# Altium PCB PCB1.PcbDoc (continued)
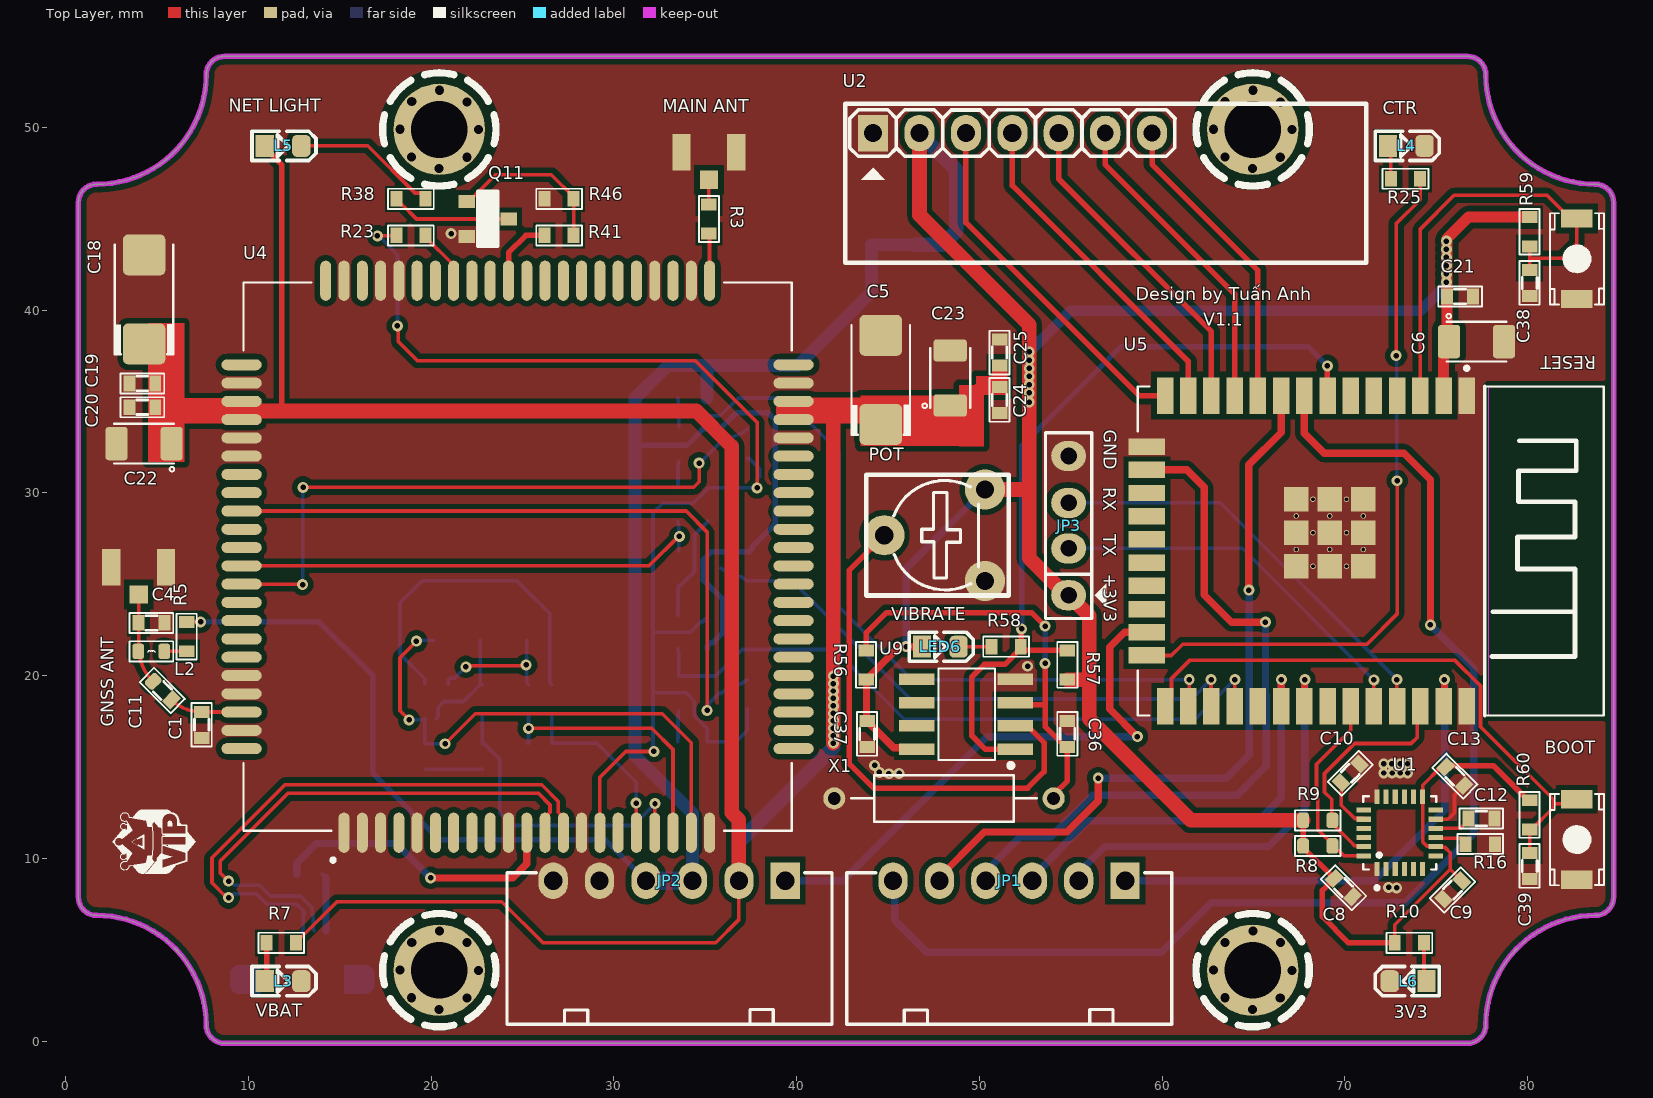
[diagram p0: Top Layer view]
## Footprints (in the part's own frame and the unit in brackets; to place one, negate y for a bottom-side part, rotate by r counter-clockwise, add the part's x,y. Pads: shape width x height; smd on the part's side, far side on the other; paste and mask are expansions set on the pad) (continued)
  oval 0.6x2.2 smd: 21(-9.022,-15.031) 22(-8.022,-15.031) 23(-7.022,-15.031) 24(-6.022,-15.031) 25(-5.022,-15.031) 26(-4.022,-15.031) 27(-3.022,-15.031) 28(-2.022,-15.031) 29(-1.022,-15.031) 30(-0.022,-15.031) 31(0.978,-15.031) 32(1.978,-15.031) 33(2.978,-15.031) 34(3.978,-15.031) 35(4.978,-15.031) 36(5.978,-15.031) 37(6.978,-15.031) 38(7.978,-15.031) 39(8.978,-15.031) 40(9.978,-15.031) 61(9.978,15.169) 62(8.978,15.169) 63(7.978,15.169) 64(6.978,15.169) 65(5.978,15.169) 66(4.978,15.169) 67(3.978,15.169) 68(2.978,15.169) 69(1.978,15.169) 70(0.978,15.169) 71(-0.022,15.169) 72(-1.022,15.169) 73(-2.022,15.169) 74(-3.022,15.169) 75(-4.022,15.169) 76(-5.022,15.169) 77(-6.022,15.169) 78(-7.022,15.169) 79(-8.022,15.169) 80(-9.022,15.169) 83(10.978,-15.031) 84(-10.022,-15.031) 86(-10.022,15.169) 87(10.978,15.169)
  silkscreen extent -16.22,-14.93 15.48,15.07, body extent -14.52,-14.93 15.48,15.07, height 3.17
SOIC-8 [mm]
  rect 1.95x0.635 smd: 1(-2.706,1.901) 2(-2.706,0.631) 3(-2.706,-0.639) 4(-2.706,-1.909) 5(2.682,-1.909) 6(2.682,-0.639) 7(2.682,0.631) 8(2.682,1.901)
  silkscreen extent -2.59,-2.5 1.5,2.93, body extent -3.01,-2.44 2.99,2.46, height 1.75
SOT-23 [mm] "SOT 23 _ 1-3-2"
  rect 0.7x0.9 smd: 1(-0.95,-1.15) 2(0.95,-1.15) 3(0,1.15)
  silkscreen extent -1.5,-0.55 1.5,0.55, body extent -1.5,-1.28 1.5,1.22, height 1.06
SOT-363 [mm]
  rrect50% 1x0.39 smd: 1(-0.946,0.652) 2(-0.946,0.002) 3(-0.946,-0.648) 4(0.924,-0.648) 5(0.924,0.002) 6(0.924,0.652)
  silkscreen extent -0.69,-1.1 0.67,1.1, body extent -1.07,-1.04 1.03,1.06, height 0.95
SW-420 [mm]
  round 1.208 hole 0.7 mask+0.102: 1(-6,0) 2(6,0)
  silkscreen extent -5.08,-1.27 5.08,1.27
XH2.54-6P_THRU [mm]
  rect 1.6x2 hole 1 mask+0.1: 1(-6.36,-0.02)
  oval 1.6x2 hole 1 mask+0.1: 2(-3.82,-0.02) 3(-1.28,-0.02) 4(1.26,-0.02) 5(3.8,-0.02) 6(6.34,-0.02)
  silkscreen extent -8.91,-0.45 8.87,7.83, body extent -8.7,-0.32 8.68,7.71, height 5.84

## Part data
BOOT RESET: library part BUTON2
C1 C2 C3 C4 C8 C9 C10 C11 C12 C13 C19 C20 C21 C24 C25 C26 C27 C28 C29 C36 C37 C38 C39: library part "CAP ko phan cuc", "Cap np W0.3", Copyright=VanDungEvn
C5 C6 C18 C22 C23: library part CAP_PHANCUCDEN
"GNSS ANT" "MAIN ANT": library part IPEX-ANTEN
J1: library part NanoSim_SIM8060-6-0-14-00-A, "6 Position Card Connector NANO SIM Surface Mount, Right Angle Gold", Package="Package Analog Devices", Availability=Unavailable, MF="Global Connector Technology", MP=SIM8060-6-0-14-00-A, PRICE=None, SnapEDA_Link=https://www.snapeda.com/parts/SIM8060-6-0-14-00-A/Global%20Connector%20Technology/view-part/3214904/?ref=snap
J2: "Micro USB, Input Output Connectors, B TYPE RECEPTACLE with flange", Package=None, Check_prices=https://www.snapeda.com/parts/10118194-0001LF/Amphenol+FCI/view-part/?ref=eda, MF="Amphenol ICC", MP=10118194-0001LF, SnapEDA_Link=https://www.snapeda.com/parts/10118194-0001LF/Amphenol+FCI/view-part/?ref=snap
JP1 JP2: library part JP6, "JP6 PIN"
JP3: library part JP4
L2: library part IN
L3 L4 L5 L6 LED6: library part LED_RED_SMD, "LED Red 3mm/5MM", ComponentLink1Description=Datasheet, ComponentLink1URL="D:\Dropbox\Datasheets\Opto and Illumination\LEDs\SMD LED.pdf", Unit Price=0.0476
POT: library part "Pot mini"
Q1 Q3 Q4 Q11: library part C1815-SMD, "Trans NPN 50V 150mA TO-92", ComponentLink1Description=Datasheet, ComponentLink1URL="D:\Dropbox\Datasheets\Transistors\P Channel Bipolar\2SC1815.pdf", Unit Price=0.0143
R1 R2 R3 R4 R5 R6 R7 R8 R9 R10 R11 R12 R13 R16 R17 R18 R19 R23 R25 R38 R41 R42 R43 R46 R47 R56 R57 R58 R59 R60: library part Res, "Res", Manufacturer="Generic Components", Class=Passive, Published=08/06/2000, Publisher="Altium Hobart Technology Centre", SubClass=R
U4: library part SIM7600CE*
X1: "ç”µåŠ›å˜åŽ‹å™¨ 2500Vrms 6VA 6 ç«¯å­ PC å¼•è„šé€šå­”", Package=None, Availability="In Stock", Check_prices=https://www.snapeda.com/parts/SW-420/Stancor/view-part/?ref=eda, MF=Stancor, MP=SW-420, PRICE=None, SnapEDA_Link=https://www.snapeda.com/parts/SW-420/Stancor/view-part/?ref=snap

## Free pads (board coordinates)
  round 0.5 hole 0.5: ""(18.307,3.899) ""(18.307,49.899) ""(18.928,2.381) ""(18.928,48.381) ""(18.941,5.412) ""(18.941,51.412) ""(20.441,1.747) ""(20.441,47.747) ""(20.459,6.033) ""(20.459,52.033) ""(21.959,2.368) ""(21.959,48.368) ""(21.972,5.399) ""(21.972,51.399) ""(22.593,3.881) ""(22.593,49.881) ""(62.807,3.899) ""(62.807,49.899) ""(63.428,2.381) ""(63.428,48.381) ""(63.441,5.412) ""(63.441,51.412) ""(64.941,1.747) ""(64.941,47.747) ""(64.959,6.033) ""(64.959,52.033) ""(66.459,2.368) ""(66.459,48.368) ""(66.472,5.399) ""(66.472,51.399) ""(67.093,3.881) ""(67.093,49.881)
  round 5 hole 3.1 mask+0.1: ""(20.45,3.89) ""(20.45,49.89) ""(64.95,3.89) ""(64.95,49.89)

## Via types
v1: diameter 0.6, hole 0.3, Top Layer to Bottom Layer, tented both sides, 80 vias

## Nets (pads, with @x,y where several pads share a name; then routed paths per layer and width w, separated by ;. In a path a pad name is that pad's centre, name@x,y a point inside that pad or via, vN(x,y) a via of type N, cw(c..) or ccw(c..) an arc to the next point about the centre after c; other vN are vias at no path point)
+1V8: R1.1 R12.1 R13.1 R18.1 R19.1 R23.1 U4.15 | length 72.3
  Top Layer w0.2: v1(17.06,44.07) 18.08,44.07 R23.1 ; v1(18.16,39.14) 18.2,39.1 18.2,38.29 19.26,37.23 34.47,37.23 37.84,33.86 v1(37.84,30.28) ; U4.15 29.236,14.446 30.65,15.86 v1(32.19,15.86)
  Bottom Layer w0.2: v1(17.06,44.07) 17.13,44.07 17.713,43.487 18.16,43.04 v1(18.16,39.14) ; v1(32.19,15.86) 32.14,15.91 32.14,19.08 ; R1.1 35.1,23.19 34.875,22.965 34.775,22.965 34.19,22.38 32.14,22.38 ; R13.1 37.3,17 36.69,16.39 R12.1 35.1,17.115 34.814,17.401 34.81,17.401 34.4,17.811 34.4,18.606 33.926,19.08 32.14,19.08 ; R19.1 37.4,31.89 37.98,31.31 37.98,30.894 37.837,30.751 v1@37.837,30.357 ; v1(37.84,30.28) 35.11,30.28 R18.1 35.1,30.19 34.35,29.44 32.68,29.44 32.14,28.9 32.14,22.38 ; 32.14,19.08 32.14,22.38
+3V3: C2.1 C3.1 C6.1 C8.1 C9.1 C13.2 C21.1 C37.2 JP2.3 JP2.4 JP3.1 LED6.1 POT.3 R2.1 R5.1 R8.2 R9.2 R10.1 R11.1 R17.1 R56.1 R57.1 R59.2 R60.2 U1.8 U1.13 U2.2 U5.2 U9.8 | length 266.8
  Top Layer w0.2: R5.1 6.64,22.95 v1(7.39,22.95) ; R10.1 72.72,6.371 75.76,9.411 ; C13.2 75.248,15.008 74.25,14.01 U1.13 74.25,10.91 74.471,10.689 74.93,10.689 U1.8 75.01,10.609 75.469,10.609 75.76,10.319 75.76,9.411 ; C9.1 75.76,9.411
  Top Layer w0.3: R9.2 R8.2 67.71,10.615 C8.1 68.76,8.259 68.76,6.82 70.19,5.39 R10.1 ; C13.2 75.58,15.079 78.111,15.079 80,13.19 R60.2
  Top Layer w0.4: U9.8 46.503,16.064 45.311,16.064 44.078,17.297 44.078,17.397 43.953,17.522 C37.2 43.826,17.549 43.826,19.763 R56.1 43.9,19.79 44.025,19.915 44.025,20.015 45.6,21.59 v1(45.99,21.59) LED6.1
  Top Layer w0.6: U5.2 75.395,38.048 C6.1@75.78,38.432 ; v1@75.58,43.783 C21.1 75.58,38.395 75.661,38.314 C6.1 ; v1@75.58,43.92 76.75,45.09 R59.2
  Top Layer w0.8: U2.2 46.72,45.21 52.725,39.205 v1(52.725,37.72) v1(52.725,37.271) v1(52.725,36.823) v1(52.725,36.374) v1(52.725,35.925) v1(52.725,35.477) v1(52.725,34.97) 52.725,30.19 ; POT.3 52.725,30.19 ; R57.1 56,19.79 ; R9.2 61.56,12.09 56,17.65 56,19.79 ; 52.725,30.19 52.725,26.433 54.753,24.405 JP3.1 56,23.285 56,19.79
  Bottom Layer w0.3: v1(7.39,22.95) 13.88,22.95 16.81,20.02 16.81,14.66 20.44,11.03 29.52,11.03 JP2.4 ; 31.16,32.6 33.99,32.6 34.905,33.515 35.845,33.515 36.72,34.39 38.44,34.39 38.83,34 38.83,28.32 37.575,27.065 37.575,26.965 37.4,26.79 R2.1 35.34,26.79 34.89,26.34 34.89,25.24 35.97,24.16 35.97,22.36 35.425,21.815 35.325,21.815 35.1,21.59 R11.1
  Bottom Layer w0.4: v1(45.99,21.59) 45.99,25.88 POT.3
  Bottom Layer w0.6: v1(52.725,34.97) v1(52.725,35.477) v1(52.725,35.925) v1(52.725,36.374) v1(52.725,36.823) v1(52.725,37.271) v1(52.725,37.72) 54.975,39.97 74.14,39.97 75.55,41.38 v1(75.55,41.54) v1(75.55,41.989) v1(75.55,42.437) v1(75.55,42.886) v1(75.55,43.334) v1(75.55,43.783)
  Bottom Layer w0.7: JP2.3 34.3,12.48 31.16,15.62 31.16,32.6 31.16,35.18 32.96,36.98 35.27,36.98 ; R17.1 35.1,36.81 35.27,36.98 ; C3.1 C2.1 44.1,41 40.08,36.98 35.27,36.98
  Bottom Layer w0.8: C3.1 48,43.58 48.73,44.31 48.73,47.68 U2.2
  Bottom Layer w1: JP2.4 JP2.3
+VBUS: J2.1 R6.1 | length 3.2
  Bottom Layer w0.2: R6.1@14.06,9.14 R6.1@14.25,8.95
  Bottom Layer w0.4: J2.1 R6.1@14.25,8.95
BOOT: BOOT.2 C39.2 R60.1 U5.25 | length 32.3
  Top Layer w0.2: U5.25 60.505,18.675 60.505,19.855 61.49,20.84 76.024,20.84 77.415,19.449 77.415,17.215 81.391,13.239 81.391,13 ; C39.2 R60.1 80.2,11.59 81.391,12.781 81.391,13 ; BOOT.2 82.441,13 81.391,13
D0: U2.3 U5.14 | length 19.7
  Top Layer w0.3: U2.3 49.26,44.79 58.725,35.325 U5.14
D1: U2.4 U5.13 | length 18.4
  Top Layer w0.3: U2.4 51.8,46.82 61.425,37.195 U5.13
D2: U2.5 U5.12 | length 17.8
  Top Layer w0.3: U2.5 54.34,47.18 62.695,38.825 U5.12
D3: U2.6 U5.11 | length 17.3
  Top Layer w0.3: U2.6 56.88,47.98 63.965,40.895 U5.11
D+: J2.3 U4.13 | length 31.1
  Top Layer w0.2: v1(8.92,7.86) 8.826,7.86 8.01,8.676 8.01,10.042 12.002,14.034 26.048,14.034 26.963,13.119 26.963,12.531 27.236,12.258 U4.13
  Bottom Layer w0.2: v1(8.92,7.86) 9.014,7.86 9.237,8.083 10.427,8.083 11.009,7.501 12.656,7.501 13.048,7.109 13.048,6.944 13,6.896 13,6.105 J2.3
D-: J2.2 U4.12 | length 29.2
  Top Layer w0.2: v1(8.92,8.76) 8.47,9.21 8.47,9.86 12.19,13.58 25.86,13.58 26.509,12.931 26.509,12.531 26.236,12.258 U4.12
  Bottom Layer w0.2: v1(8.92,8.76) 9.014,8.76 9.237,8.537 10.615,8.537 11.197,7.955 12.844,7.955 13.502,7.297 13.502,6.944 13.55,6.896 13.55,6.105 J2.2
D_OUT: R57.2 R58.2 U5.7 U9.1 | length 43.9
  Top Layer w0.3: U9.1 50.311,15.989 49.58,16.72 49.58,19.924 50.275,20.62 51.39,20.62 52.285,21.515 52.285,22.545 v1(52.31,22.57) ; R58.2@52.297,21.528 52.435,21.39 R57.2 ; v1(69.04,36.95) 69.04,35.33 U5.7
  Bottom Layer w0.3: v1(52.31,22.57) 52.31,32.57 57.75,38.01 67.98,38.01 v1(69.04,36.95)
DTR: Q4.3 R19.2 U4.72 | length 34.8
  Top Layer w0.2: U4.72 9.648,25.002 12.958,25.002 v1(12.97,24.99) ; v1(13,30.31) 34.37,30.31 34.67,30.61 v1(34.67,31.63)
  Bottom Layer w0.2: v1(12.97,24.99) 12.985,25.005 12.985,30.295 v1(13,30.31) ; v1(34.67,31.63) 34.69,31.63 35.75,32.69 Q4.3 36.2,32.94 36.975,33.265 R19.2
ESP-RST: C38.2 R59.1 RESET.2 U5.3 | length 24.5
  Top Layer w0.2: U5.3 74.125,44.445 75.97,46.29 81.052,46.29 82.33,45.012 RESET.2 82.68,43.66 81.865,42.845 80.1,42.845 ; C38.2 80.1,42.845 ; R59.1 80.1,42.845
ESP_RX: Q1.3 R2.2 U5.27 | length 31.6
  Top Layer w0.2: v1(62.67,19.79) 62.67,18.35 U5.27
  Bottom Layer w0.2: Q1.3 36.2,25.64 36.975,25.415 R2.2 39.76,25.19 46.22,18.73 61.61,18.73 v1(62.67,19.79)
ESP_TX: Q3.2 R11.2 U5.28 | length 36.5
  Top Layer w0.2: U5.28 63.97,18.33 v1(63.97,19.79)
  Bottom Layer w0.2: R11.2 33.542,21.165 33.542,20.24 Q3.2 35.57,19.99 37.02,21.44 42.07,21.44 45.89,17.62 61.8,17.62 v1(63.97,19.79)
GND: "GNSS ANT.1" "GNSS ANT.3" "MAIN ANT.1" "MAIN ANT.3" BOOT.1 C1.1 C2.2 C3.2 C4.1 C5.2 C6.2 C8.2 C9.2 C10.1 C12.1 C13.1 C18.2 C19.1 C20.1 C21.2 C22.2 C23.2 C24.1 C25.1 C26.2 C27.2 C28.2 C29.2 C36.1 C37.1 C38.1 C39.1 D1.2 J1.C5 J2.5 J2.SH2 J2.SH3 JP2.5 JP2.6 JP3.4 L3.2 L4.2 L6.2 POT.1 Q11.2 R16.1 R46.2 RESET.1 U1.1 U1.11 U1.18 U2.1 U4.1 U4.2 U4.3 U4.5 U4.10 U4.14 U4.37 U4.40 U4.41 U4.43 U4.57 U4.58 U4.60 U4.61 U4.64 U4.65 U4.77 U4.78 U4.80 U4.81 U5.1 U5.15 U5.38 U5.39 U9.4 X1.2 | length 6
  Top Layer w0.2: U1.11 75.629,12.149 75.99,12.51 75.99,13.481 C13.1
  Bottom Layer w0.2: C26.2 C29.2
  other v1: 72.39,8.42 72.82,8.4 45.05,14.64 45.61,14.66 72.12,14.68 72.58,14.68 73.011,14.68 73.43,14.68 44.53,14.71 44.27,15.1 72.12,15.18 72.57,15.18 73.02,15.18 73.42,15.18 52.64,20.52 21.1,44.19
GNSS_ANT: C1.2 C11.1 U4.79 | length 4
  Top Layer w0.2: C11.1 ccw(c7.403,20.288) 7.403,18.025 C1.2 7.462,18.014 U4.79
MAIN_ANT: R3.2 U4.82 | length 2.6
  Top Layer w0.2: R3.2 35.236,44.154 U4.82
NetC4_2: "GNSS ANT.2" C4.2 C11.2 L2.1 | length 5.2
  Top Layer w0.2: 4,24.69 4,24.44 4,21.542 ccw(c6.54,21.542) 4.744,19.746 C11.2
NetC10_2: C10.2 U1.20 | length 2.8
  Top Layer w0.2: C10.2@69.8,14.156 69.859,14.097 69.859,13.779 69.8,13.72 69.8,12.92 70.531,12.189 70.99,12.189 U1.20
NetC12_2: C12.2 U1.10 | length 2.1
  Top Layer w0.2: U1.10 76.309,11.649 76.75,12.09 C12.2
NetC36_2: C36.2 R56.2 U9.3 X1.1 | length 23.5
  Top Layer w0.3: R56.2 43.8,22.34 44.92,23.46 52.86,23.46 v1(53.6,22.72) ; U9.3 52.083,18.412 53.6,18.412 ; v1(53.6,20.68) 53.6,18.412 ; X1.1 54.06,13.493 54.81,14.243 54.81,16.08 54.742,16.08 53.6,17.222 53.6,18.412
  Bottom Layer w0.3: v1(53.6,20.68) v1(53.6,22.72)
NetD1_1: D1.1 J1.C7 R47.2 | length 18.4
  Bottom Layer w0.2: D1.1 19.648,19.841 18.3,21.189 18.3,23.99 19.5,25.19 24.7,25.19 26.501,23.389 J1.C7 26.501,19.612 R47.2
NetD1_3: D1.3 J1.C3 R43.2 | length 7.3
  Top Layer w0.2: v1(21.9,20.49) 21.95,20.54 25.15,20.54 v1(25.2,20.59)
  Bottom Layer w0.2: D1.3 20.948,19.772 21.043,19.867 21.279,19.867 v1@21.9,20.488 ; J1.C3 25.231,19.612 R43.2
NetD1_5: D1.5 J1.C2 R42.2 | length 6
  Bottom Layer w0.2: D1.5 20.393,17.761 20.393,18.283 20.7,18.59 21.769,18.59 22.691,19.512 R42.2 22.691,19.612 J1.C2
NetL2_2: L2.2 R5.2 | length 1.4
  Top Layer w0.2: L2.2 6.765,21.335 R5.2@6.79,21.36
NetL3_1: L3.1 R7.2 | length 2.1
  Top Layer w0.3: L3.1 11,3.39 R7.2
NetL4_1: L4.1 R25.2 | length 1.9
  Top Layer w0.2: L4.1 72.51,48.834 R25.2
NetL5_2: L5.2 R38.1 | length 8.1
  Top Layer w0.2: L5.2 16.54,48.99 19.115,46.415 19.475,46.415 19.7,46.19 R38.1
NetL6_1: L6.1 R10.2 | length 2.2
  Top Layer w0.2: R10.2 74.32,3.424 L6.1
NetLED6_2: LED6.2 R58.1 | length 1.8
  Top Layer w0.2: LED6.2 R58.1
NETLIGHT: R41.2 U4.51 | length 3.9
  Top Layer w0.3: U4.51 24.236,43.146 25.18,44.09 R41.2
"NetMAIN ANT_2": "MAIN ANT.2" R3.1 | length 1.4
  Top Layer w0.2: R3.1 35.2,47.14
NetPOT_2: POT.2 U9.2 | length 28.4
  Top Layer w0.3: POT.2 42.89,25.78 42.89,15.17 44.21,13.85 52.64,13.85 53.54,14.75 53.54,16.342 52.623,17.259 U9.2
NetQ1_1: Q1.1 R1.2 R4.1 | length 5.9
  Bottom Layer w0.2: R1.2 33.51,23.615 33.51,24.69 Q1.1 33.65,24.94 34.41,25.7 34.41,27.7 35.1,28.39 R4.1
NetQ3_1: Q3.1 R12.2 | length 1.7
  Bottom Layer w0.2: R12.2 33.51,16.715 33.51,17.84 Q3.1
NetQ4_1: Q4.1 R18.2 | length 1.5
  Bottom Layer w0.2: R18.2 33.511,30.615 33.511,31.49 Q4.1
NetQ11_1: Q11.1 R41.1 R46.1 | length 9.1
  Top Layer w0.2: Q11.1 22.05,45.94 23.52,47.41 26.58,47.41 27.8,46.19 R46.1 R41.1
NetQ11_3: Q11.3 R38.2 | length 6.7
  Top Layer w0.2: R38.2 18.1,45.99 18.325,45.765 18.425,45.765 19.2,44.99 Q11.3
NetR6_2: R6.2 U4.11 | length 16.4
  Top Layer w0.4: v1(19.979,8.94) 24.46,8.94 25.236,9.716 U4.11
  Bottom Layer w0.4: R6.2 12.645,9.145 12.645,9.748 13.717,10.82 18.099,10.82 v1(19.979,8.94)
NetR16_2: R16.2 U1.9 | length 1.8
  Top Layer w0.2: U1.9 75.265,11.109 76.375,11.109 R16.2
NetR23_2: R23.2 U4.54 | length 3.1
  Top Layer w0.2: R23.2 19.7,43.99 21.236,42.454 U4.54
NetR25_1: R25.1 U5.24 | length 39
  Top Layer w0.2: U5.24 60.5,21.11 61.12,21.73 71.2,21.73 72.85,23.38 v1(72.85,30.67) ; v1(72.8,37.51) 72.8,44.74 74.11,46.05 R25.1
  Bottom Layer w0.2: v1(72.8,37.51) 72.825,37.485 72.825,30.695 v1(72.85,30.67)
out1: JP1.1 U5.37 | length 27.2
  Top Layer w0.4: U5.37 75.44,18.37 v1(75.44,19.79)
  Bottom Layer w0.4: JP1.1@58.48,8.79 71.59,8.79 75.46,12.66 75.46,19.77 v1(75.44,19.79)
out2: JP1.2 U5.31 | length 22.9
  Top Layer w0.4: U5.31 67.787,18.337 67.787,19.778 v1(67.8,19.79)
  Bottom Layer w0.4: JP1.2 55.431,9.239 56.851,10.66 65.83,10.66 67.8,12.63 v1(67.8,19.79) v1@67.8,19.87
out3: JP1.3 U5.30 | length 23.5
  Top Layer w0.4: U5.30 66.512,18.332 66.512,19.783 v1(66.52,19.79)
  Bottom Layer w0.4: JP1.3@52.803,8.903 55.96,12.06 65.26,12.06 66.52,13.32 v1(66.52,19.79)
out4: JP1.4 U5.16 | length 39.5
  Top Layer w0.4: U5.16 61.35,31.27 62.3,30.32 62.3,24.42 63.79,22.93 v1(65.65,22.93)
  Bottom Layer w0.4: JP1.4@50.013,8.963 52.235,11.185 53.909,11.185 56.184,13.46 64.1,13.46 65.7,15.06 65.7,18.943 65.65,18.993 v1(65.65,22.93)
READ: JP1.5 U5.9 | length 41.1
  Top Layer w0.4: JP1.5@47.646,8.826 50.271,11.45 54.78,11.45 56.5,13.17 v1(56.5,14.4) ; v1(64.74,24.68) 64.74,31.54 66.505,33.305 U5.9
  Bottom Layer w0.4: v1(56.5,14.4) 63.5,14.4 64.77,15.67 64.77,24.65 v1(64.74,24.68)
SCL: R9.1 U1.23 U5.36 | length 12.8
  Top Layer w0.2: U1.23 70.99,10.689 70.638,10.689 70.618,10.709 70.511,10.709 70.335,10.885 69.535,11.685 69.535,11.731 69.31,11.956 R9.1 69.272,12.128 69.272,13.238 68.88,13.63 68.88,14.65 70.52,16.29 73.61,16.29 73.962,16.642 73.962,18.162 U5.36
SDA: R8.1 U1.24 U5.33 | length 10.6
  Top Layer w0.2: R8.1 69.31,10.79 68.51,11.59 68.51,13.293 68.44,13.363 68.44,15.16 70.315,17.035 U5.33 ; R8.1@69.5,10.69 69.5,10.59 69.941,10.149 U1.24
SIM-DTR: Q4.2 R17.2 U5.26 | length 42.7
  Top Layer w0.2: U5.26 61.48,18.38 v1(61.48,19.79)
  Bottom Layer w0.2: R17.2 33.542,34.865 33.542,34.22 ; Q4.2@33.542,33.89 33.542,34.22 ; Q4.2 Q4.2@33.55,33.89 ; v1(61.48,19.79) 46.29,19.79 42.33,23.75 42.33,32.23 39.36,35.2 36.8,35.2 35.82,34.22 33.542,34.22
SIM-EN: JP2.1 U5.23 | length 30.4
  Top Layer w0.4: v1(58.64,16.67) 57.13,18.18 57.13,21.57 57.94,22.38 U5.23
  Bottom Layer w0.4: JP2.1 42.53,8.79 50.41,16.67 v1(58.64,16.67)
SIM_RX: Q3.3 R13.2 U4.68 | length 38.7
  Top Layer w0.2: U4.68 33.956,29.014 35.1,27.87 v1(35.1,18.101)
  Bottom Layer w0.2: v1(35.1,18.101) 35.177,18.177 35.177,18.467 35.75,19.04 Q3.3 36.2,19.29 36.975,19.565 R13.2
SIM_TX: Q1.2 R4.2 U4.71 | length 26.3
  Top Layer w0.2: U4.71 31.924,26.014 33.53,27.62 v1(33.59,27.62)
  Bottom Layer w0.2: R4.2 33.542,28.165 33.542,27.09 Q1.2
USB-RX: JP3.3 U5.35 | length 23.4
  Top Layer w0.2: v1(72.84,19.79) 72.84,18.34 U5.35
  Bottom Layer w0.2: JP3.3 63.171,29.459 v1(72.84,19.79)
USB-TX: JP3.2 U5.34 | length 21.1
  Top Layer w0.2: v1(71.58,19.77) 71.58,18.33 U5.34
  Bottom Layer w0.2: JP3.2 64.38,26.97 v1(71.58,19.77)
USIM_CLK: C28.1 R43.1 U4.19 | length 14.6
  Top Layer w0.2: v1(25.331,17.122) 32.078,17.122 33.236,15.964 U4.19
  Bottom Layer w0.2: C28.1 25.331,16.331 v1(25.331,17.122) R43.1
USIM_DATA: C27.1 R47.1 U4.17 | length 9.9
  Top Layer w0.2: v1(31.22,13.03) 31.228,13.022 31.228,11.422 U4.17
  Bottom Layer w0.2: R47.1 26.601,16.301 C27.1 29.09,16.3 31.22,14.17 v1(31.22,13.03)
USIM_RTS: C29.1 R42.1 U4.18 | length 16.7
  Top Layer w0.2: U4.18 32.243,11.421 32.243,12.993 v1(32.25,13)
  Bottom Layer w0.2: R42.1 22.791,16.309 C29.1 22.9,16.3 23.76,15.44 23.76,12.49 24.44,11.81 31.06,11.81 v1(32.25,13)
USIM_VDD: C26.1 D1.6 J1.C1 U4.20 | length 28.9
  Top Layer w0.2: v1(18.8,17.59) 18.3,18.09 18.3,20.99 v1(19.2,21.89) ; v1(20.77,16.28) 22.41,17.92 32.65,17.92 34.236,16.334 U4.20
  Bottom Layer w0.2: v1(18.8,17.59) 19.572,17.59 D1.6 19.648,16.352 C26.1 19.72,16.28 v1(20.77,16.28) ; v1(19.2,21.89) 19.255,21.945 J1.C1
VBAT: C5.1 C18.1 C19.2 C20.2 C22.1 C23.1 C24.2 C25.2 JP2.2 L5.1 R7.1 U4.38 U4.39 U4.62 U4.63 | length 154.6
  Top Layer w0.2: C18.1 4.685,37.77 4.685,36.215 C19.2 C20.2 ; C20.2@5.036,34.464 5.42,34.08 ; C22.1 5.805,33.795 5.52,34.08 5.42,34.08 ; U4.63 9.636,34.42 ; U4.62 9.636,34.514 5.086,34.514 C20.2 ; R7.1 12.6,5.49 12.825,5.715 12.925,5.715 14.85,7.64 23.87,7.64 26.12,5.39 35.57,5.39 36.84,6.66 JP2.2 ; C20.2 4.91,34.59 5.42,34.08
  Top Layer w0.3: U4.62 10.07,34.58 ; L5.1 10.9,48.89 11.82,47.97 11.82,34.51 11.797,34.488 ; C5.1 45.29,34.445 46.348,34.445 46.693,34.79 47.26,34.79 ; 46.42,33.95 47.26,34.79 ; C25.2 C24.2 49.83,35.8 48.82,34.79 C23.1 47.26,34.79
  Top Layer w0.8: 9.85,34.42 9.918,34.488 11.797,34.488 34.505,34.488 36.45,32.543 36.45,12.5 36.84,12.11 JP2.2 ; 39.836,34.514 39.852,34.53 41.541,34.53 ; v1(42.01,16.32) v1(42.01,19.98) 42.01,34.061 41.541,34.53 ; C5.1 43.905,34.45 42.99,34.45 42.91,34.53 41.541,34.53
  Bottom Layer w0.8: JP2.2 36.84,10.89 42.01,16.06 v1(42.01,19.98)
  other v1: 42.01,16.727 42.01,17.133 42.01,17.54 42.01,17.947 42.01,18.353 42.01,18.76 42.01,19.167 42.01,19.573
VCC_EXT: U4.44
Vol: JP1.6 U5.8 | length 67.7
  Top Layer w0.4: U5.8 67.775,33.265 68.86,32.18 73.23,32.18 74.68,30.73 74.68,22.8 v1(74.67,22.79)
  Bottom Layer w0.4: JP1.6@45.37,8.797 45.37,6.62 47.12,4.87 59.96,4.87 62.68,7.59 73.3,7.59 77.05,11.34 77.05,20.41 v1(74.67,22.79)
VT: U2.7 U5.10 | length 16.8
  Top Layer w0.3: U2.7 59.445,47.975 65.235,42.185 U5.10
pads on no net: D1.4 J1.C6 J2.4 U1.2 U1.3 U1.4 U1.5 U1.6 U1.7 U1.12 U1.14 U1.15 U1.16 U1.17 U1.19 U1.21 U1.22 U4.4 U4.6 U4.7 U4.8 U4.9 U4.16 U4.21 U4.22 U4.23 U4.24 U4.25 U4.26 U4.27 U4.28 U4.29 U4.30 U4.31 U4.32 U4.33 U4.34 U4.35 U4.36 U4.42 U4.45 U4.46 U4.47 U4.48 U4.49 U4.50 U4.52 U4.53 U4.55 U4.56 U4.59 U4.66 U4.67 U4.69 U4.70 U4.73 U4.74 U4.75 U4.76 U4.83 U4.84 U4.85 U4.86 U4.87 U5.4 U5.5 U5.6 U5.17 U5.18 U5.19 U5.20 U5.21 U5.22 U5.29 U5.32 U9.5 U9.6 U9.7

## Polygon pours and split planes (outlines as drawn)
GND on Top Layer "NONET_L-01_P-001" (solid, pour order 2): 7.7,52.96 cw(c8.521,52.96) 7.94,53.54 8,53.6 cw(c8.7,52.9) 8.7,53.89 76.71,53.89 cw(c76.71,52.9) 77.41,53.6 77.46,53.55 cw(c76.879,52.97) 77.7,52.97 77.74,52.19 78.02,50.93 78.64,49.67 79.92,48.23 80.79,47.64 82.06,47.11 83.38,46.89 83.64,46.89 cw(c83.64,45.755) 84.442,46.558 84.46,46.54 cw(c83.905,45.985) 84.69,45.985 84.69,7.79 cw(c83.79,7.79) 83.79,6.89 82.44,6.75 81.07,6.29 79.17,4.8 78.24,3.36 77.77,1.86 77.7,0.88 77.7,0.83 cw(c76.807,0.83) 77.438,0.198 77.26,0.02 cw(c76.922,0.358) 76.922,-0.12 8.733,-0.12 cw(c8.733,0.973) 7.96,0.2 cw(c8.564,0.804) 7.71,0.804 7.71,0.96 7.51,2.43 6.74,4.12 5.01,5.88 2.56,6.82 1.72,6.89 1.68,6.89 cw(c1.68,7.807) 1.031,7.159 0.83,7.36 cw(c1.144,7.674) 0.7,7.674 0.7,46.021 cw(c1.349,46.021) 0.89,46.48 1.092,46.682 cw(c1.57,46.204) 1.57,46.88 2.9,46.99 4.97,47.87 6.69,49.53 7.54,51.45 7.71,53.04
GND on Bottom Layer "NONET_L-01_P-001" (solid, pour order 1): 8.79,53.75 8.774,53.75 ccw(c8.774,52.726) 8.05,53.45 ccw(c8.895,52.605) 7.7,52.605 7.7,51.822 cw(c5.16,51.822) 6.956,50.026 6.732,49.802 ccw(c7.363,49.17) 6.47,49.17 ccw(c6.47,49.122) 6.436,49.156 5.207,47.927 cw(c4.08,49.053) 4.08,47.46 ccw(c4.08,47.219) 3.909,47.389 3.75,47.23 cw(c2.977,48.003) 2.977,46.91 1.698,46.91 ccw(c1.698,46.022) 1.07,46.65 ccw(c1.963,45.757) 0.7,45.757 0.7,7.908 ccw(c1.758,7.908) 1.01,7.16 ccw(c1.686,7.836) 1.686,6.88 2.74,6.88 cw(c2.74,6.3) 3.15,6.71 ccw(c3.633,7.193) 3.633,6.51 3.835,6.51 cw(c3.835,5.895) 4.27,6.33 5.25,5.76 6.6,4.47 7.17,3.35 7.65,1.78 7.69,1.08 7.69,0.9 ccw(c8.71,0.9) 8.71,-0.12 76.73,-0.12 ccw(c76.73,0.83) 77.68,0.83 77.81,2.04 78.59,4.1 80.35,5.9 82.46,6.75 83.85,6.89 cw(c83.874,6.866) 83.874,6.9 83.89,6.9 ccw(c83.89,7.479) 84.3,7.07 84.52,7.29 ccw(c84.061,7.749) 84.71,7.749 84.71,45.866 ccw(c83.686,45.866) 84.41,46.59 84.396,46.604 ccw(c83.73,45.938) 83.73,46.88 82.62,46.98 81.28,47.4 79.58,48.52 78.38,50.13 77.77,51.9 77.69,53.02 cw(c77.714,53.044) 77.68,53.044 77.68,53.08 ccw(c77.101,53.08) 77.51,53.49 77.29,53.71 ccw(c76.88,53.3) 76.88,53.88 76.41,53.88

## Keep-outs
Keep-Out Layer:
  lines w0.3: 1.7,46.89 ccw(c1.7,45.89) 0.7,45.89 0.7,7.89 ccw(c1.7,7.89) 1.7,6.89 cw(c1.7,0.89) 7.7,0.89 ccw(c8.7,0.89) 8.7,-0.11 76.7,-0.11 ccw(c76.7,0.89) 77.7,0.89 ; 1.7,46.89 ccw(c1.7,46.89) 1.7,46.89 ; 1.7,46.89 ccw(c1.7,52.89) 7.7,52.89 cw(c8.7,52.89) 8.7,53.89 76.7,53.89 cw(c76.7,52.89) 77.7,52.89 ccw(c83.7,52.89) 83.7,46.89 cw(c83.7,45.89) 84.7,45.89 84.7,7.89 cw(c83.7,7.89) 83.7,6.89 ; 77.7,0.89 cw(c83.7,0.89) 83.7,6.89 ; 77.7,0.89 77.7,0.89 ; 83.692,46.89 ccw(c83.692,46.89) 83.692,46.89 ; 83.692,46.89 ccw(c83.692,46.89) 83.692,46.89 ; 83.7,6.89 ccw(c83.7,6.89) 83.7,6.89

## Other copper
Top Layer:
  rectangle net VBAT: 38.86,33.79 44.08,35.22
  rectangle net VBAT: 49.8,35.37 51.23,36.4
  rectangle net VBAT: 50.68,35.37 51.53,36.68
  rectangle net VBAT: 48.88,32.55 50.25,35.91
  rectangle net VBAT: 43.48,32.57 49.36,35.33
  rectangle net VBAT: 6.005,33.79 10.7,35.185
  rectangle net VBAT: 4.5,31.69 6.5,39.29
  pour cut-out: 64.95,7.19 ccw(c64.95,3.89) 61.65,3.89 ccw(c64.95,3.89) 64.95,0.59 ccw(c64.95,3.89) 68.25,3.89 ccw(c64.95,3.89)
  pour cut-out: 20.45,7.19 ccw(c20.45,3.89) 17.15,3.89 ccw(c20.45,3.89) 20.45,0.59 ccw(c20.45,3.89) 23.75,3.89 ccw(c20.45,3.89)
  pour cut-out: 64.95,53.19 ccw(c64.95,49.89) 61.65,49.89 ccw(c64.95,49.89) 64.95,46.59 ccw(c64.95,49.89) 68.25,49.89 ccw(c64.95,49.89)
  pour cut-out: 20.45,53.19 ccw(c20.45,49.89) 17.15,49.89 ccw(c20.45,49.89) 20.45,46.59 ccw(c20.45,49.89) 23.75,49.89 ccw(c20.45,49.89)
  pour cut-out: 4.652,19.072 5.148,18.577 5.87,19.31 5.4,19.82
  pour cut-out: 34.7,45.37 34.7,44.61 35.71,44.61 35.71,45.36
Bottom Layer:
  pour cut-out: 64.95,7.19 ccw(c64.95,3.89) 61.65,3.89 ccw(c64.95,3.89) 64.95,0.59 ccw(c64.95,3.89) 68.25,3.89 ccw(c64.95,3.89)
  pour cut-out: 20.45,7.19 ccw(c20.45,3.89) 17.15,3.89 ccw(c20.45,3.89) 20.45,0.59 ccw(c20.45,3.89) 23.75,3.89 ccw(c20.45,3.89)
  pour cut-out: 64.95,53.19 ccw(c64.95,49.89) 61.65,49.89 ccw(c64.95,49.89) 64.95,46.59 ccw(c64.95,49.89) 68.25,49.89 ccw(c64.95,49.89)
  pour cut-out: 20.45,53.19 ccw(c20.45,49.89) 17.15,49.89 ccw(c20.45,49.89) 20.45,46.59 ccw(c20.45,49.89) 23.75,49.89 ccw(c20.45,49.89)

## Silkscreen, mask and mechanical layers (free items; w line width, h text height)
Top Overlay:
  drawing of 35 lines, arcs and shapes, not listed
  text "NET LIGHT" at 8.92,50.614 h1.2
  text "CTR" at 72.06,50.474 h1.2
  text "Design by Tuấn Anh" at 58.549,40.294 h1.2
  text "V1.1" at 62.25,38.917 h1.2
  text "GND" at 56.544,33.45 h1.2 r270
  text "RX" at 56.53,30.32 h1.2 r270
  text "TX" at 56.53,27.74 h1.2 r270
  text "+3V3" at 56.544,25.58 h1.2 r270
  text "VIBRATE" at 45.17,22.78 h1.2
  text "VBAT" at 10.42,1.1 h1.2
  text "3V3" at 72.66,1.014 h1.2
Bottom Overlay:
  drawing of 34 lines, arcs and shapes, not listed
  text "TUANANH-IOT" at 41.66,45.06 h1.2
  text "Phone:0334442322" at 41.44,43.67 h1
  text "S-E" at 40.202,10.684 h1.2
  text "Vol" at 47.15,10.694 h1.2
  text "R" at 49.31,10.7 h1.2
  text "O4" at 52.12,10.684 h1.2
  text "O3" at 54.66,10.684 h1.2
  text "O2" at 57.25,10.684 h1.2
  text "O1" at 59.71,10.684 h1.2
  text "+3V3" at 33.77,10.644 h1.2
  text "GND" at 29.16,10.624 h1.2
  text "VBAT" at 37.57,10.63 h1.2

## Text inside footprints (layer, text, board x,y; h text height)
U5: Mechanical 13 "ANTENNA" at 80.405,32.825 h1.78 r270